# Altium PCB RevA2.PcbDoc (part 3 of 6)
Units mm, origin at the board's own origin, x right, y up, seen from the top; angles counter-clockwise.
Board outline 173 x 171 mm, 2 copper layers (Top Layer, Top, Bottom Layer, Bottom); 282 components, 411 nets, 1735 pads, 1978 vias.
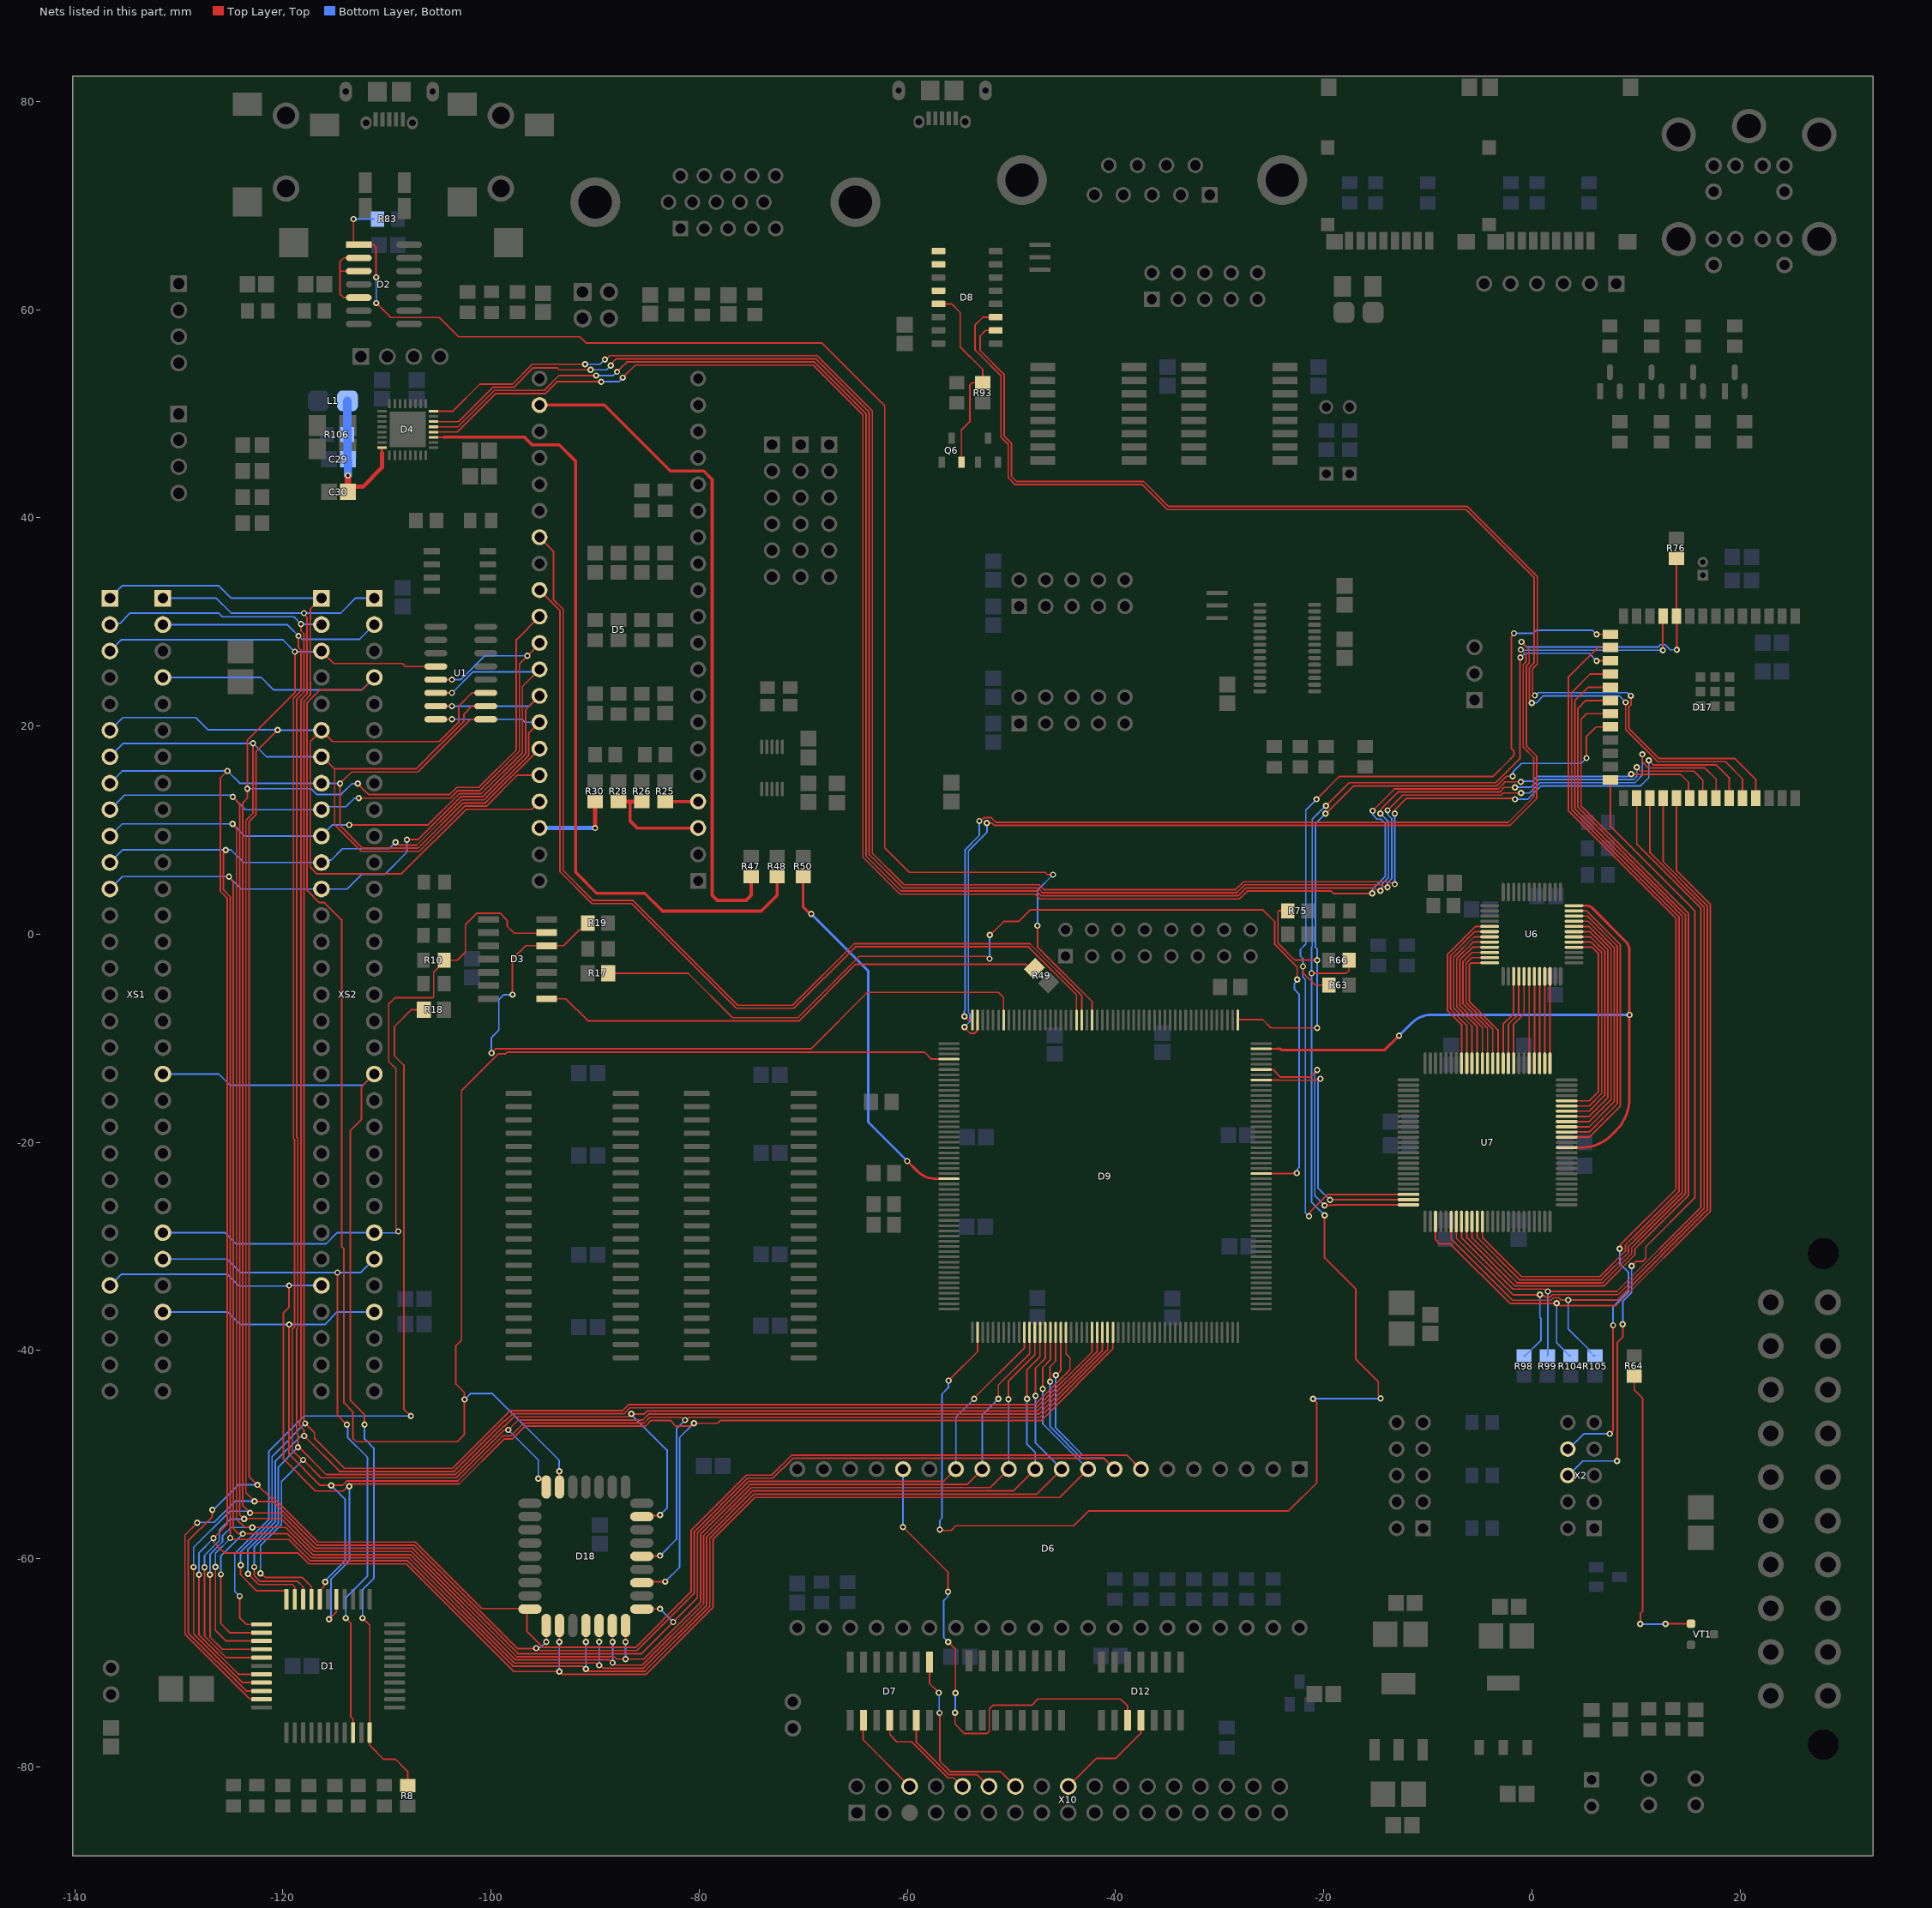
[diagram p3: the nets of this part, all layers, seen from the top]

## Via types
v1: diameter 0.6, hole 0.3, Top Layer, Top to Bottom Layer, Bottom, tented both sides, 1916 vias
v2: diameter 0.6, hole 0.3, Top Layer, Top to Bottom Layer, Bottom, tented bottom, 23 vias
v3: diameter 1, hole 0.5, Top Layer, Top to Bottom Layer, Bottom, tented both sides, 20 vias
v4: diameter 0.6, hole 0.3, Top Layer, Top to Bottom Layer, Bottom, 10 vias
v5: diameter 5.5, hole 3.96, Top Layer, Top to Bottom Layer, Bottom, 6 vias
v6: diameter 1, hole 0.5, Top Layer, Top to Bottom Layer, Bottom, 3 vias

## Nets (pads, with @x,y where several pads share a name; then routed paths per layer and width w, separated by ;. In a path a pad name is that pad's centre, name@x,y a point inside that pad or via, vN(x,y) a via of type N, cw(c..) or ccw(c..) an arc to the next point about the centre after c; other vN are vias at no path point) (continued)
A10: D1.38 D9.28 D18.23 XS1.B27 XS2.B27 | length 161
  Top Layer, Top w0.15: v1(-119.399,-33.748) -119.399,-35.836 -119.933,-36.37 -119.933,-50.416 -116.862,-53.488 -114.179,-53.488 -113.733,-53.041 -113.526,-53.041 -113.298,-52.813 -103.052,-52.813 -98.739,-48.5 -97.968,-48.5 -96.732,-47.263 -85.173,-47.263 -84.616,-46.706 -82.777,-46.706 -82.227,-47.256 -80.901,-47.256 -80.626,-46.981 v1@-80.542,-46.981 ; v1(-115.55,-65.8) -114.85,-65.1 D1.38@-114.85,-63.9 ; D18.23@-85.135,-62.24 -85.11,-62.215 -83.265,-62.215 v1(-83.25,-62.2) ; v1(-80.504,-46.981) -78.22,-46.981 -77.969,-46.73 -47.146,-46.73 -40.25,-39.834 D9.28@-40.25,-38.25
  Bottom Layer, Bottom w0.15: XS1.B27@-136.785,-33.925 -135.535,-32.675 -125.325,-32.675 -124.2,-33.8 -119.451,-33.8 v1(-119.399,-33.748) ; v1@-119.398,-33.749 XS2.B27@-116.29,-33.75 ; v1(-115.55,-65.8) -115.55,-65.678 -115.375,-65.503 -115.375,-61.982 -113.611,-60.219 v1(-113.611,-53.041) ; v1(-83.25,-62.2) -81.877,-60.827 -81.877,-48.354 v1(-80.504,-46.981)
A11: D1.40 D9.27 D18.25 XS1.A28 XS2.A28 | length 148.9
  Top Layer, Top w0.15: v1(-119.396,-37.496) -119.396,-49.967 -116.415,-52.948 -114.26,-52.948 -113.826,-52.513 -103.177,-52.513 -98.863,-48.2 -98.093,-48.2 -96.856,-46.963 -85.298,-46.963 -84.741,-46.406 -81.747,-46.406 -81.472,-46.681 v1(-81.35,-46.681) -81.228,-46.681 -80.953,-46.406 -47.246,-46.406 -40.75,-39.91 D9.27@-40.75,-38.25 ; D1.40@-116.45,-63.9 -116.45,-63.1 -116.003,-62.653 -116.003,-62.317 v1(-115.917,-62.231) ; D18.25@-85.135,-59.7 -85.105,-59.73 -83.78,-59.73 v1(-83.75,-59.7)
  Bottom Layer, Bottom w0.15: XS1.A28@-131.53,-36.29 -125.307,-36.29 -124.097,-37.5 -119.399,-37.5 v1(-119.396,-37.496) -119.393,-37.5 -115.98,-37.5 -114.77,-36.29 XS2.A28@-111.21,-36.29 ; v1(-115.917,-62.231) -115.917,-62.109 -115.764,-61.956 -115.764,-61.941 -114,-60.177 -114,-54.302 v1(-115.354,-52.948) ; v1(-83.75,-59.7) -82.177,-58.127 -82.177,-47.508 v1(-81.35,-46.681)
A12: D1.41 D9.26 D18.4 XS1.A2 XS2.A2 | length 212.3
  Top Layer, Top w0.15: v1(-122.15,-61.4) -121.65,-61.8 -118.125,-61.8 -117.25,-62.675 D1.41@-117.25,-63.9 ; v1(-118.493,28.662) -118.493,27.538 -118.265,27.31 -118.265,23.373 -118.975,22.663 -118.975,-19.62 -118.867,-19.728 -118.867,-37.71 -119.096,-37.939 -119.096,-49.567 -118.163,-50.5 v1(-118.05,-50.5) -116.336,-52.213 -103.308,-52.213 -98.747,-47.652 -98.358,-47.652 v1(-98.331,-47.625) -97.369,-46.663 -85.422,-46.663 -84.865,-46.106 -47.37,-46.106 -41.25,-39.986 D9.26@-41.25,-38.25 ; v1(-95.45,-52.3) -94.831,-52.3 -94.66,-52.471 D18.4@-94.66,-52.842
  Bottom Layer, Bottom w0.15: XS1.A2@-131.53,29.75 -119.581,29.75 -118.172,28.341 -112.619,28.341 XS2.A2@-111.21,29.75 ; v1(-122.15,-61.4) -122.15,-58.727 -120.132,-56.709 -120.132,-52.582 v1(-118.05,-50.5) ; v1(-98.331,-47.625) -95.45,-50.506 v1(-95.45,-52.3)
A13: D1.42 D9.25 D18.28 XS1.B2 XS2.B2 | length 218.7
  Top Layer, Top w0.15: v1(-122.75,-60.8) -122.75,-61.613 -122.194,-62.169 -118.581,-62.169 -118.05,-62.7 D1.42@-118.05,-63.9 ; v1(-118.253,29.81) -118.253,29.165 -117.965,28.876 -117.965,23.248 -118.675,22.538 -118.675,-19.496 -118.567,-19.603 -118.567,-37.834 -118.675,-37.942 -118.675,-47.899 -118.55,-48.024 v1(-118.55,-49.3) -118.437,-49.3 -115.823,-51.913 -103.432,-51.913 -98.783,-47.263 -98.712,-47.263 -97.812,-46.363 -86.817,-46.363 -86.542,-46.088 v1(-86.504,-46.088) -85.271,-46.088 -84.989,-45.806 -47.495,-45.806 -41.75,-40.061 D9.25@-41.75,-38.25 ; D18.28@-85.135,-55.89 -85.12,-55.875 -83.825,-55.875 v1(-83.75,-55.8)
  Bottom Layer, Bottom w0.15: XS1.B2@-136.61,29.75 -136.504,29.856 -135.673,29.856 -134.666,30.863 -126.163,30.863 -125.8,30.5 -118.943,30.5 v1(-118.253,29.81) -118.223,29.78 -116.32,29.78 XS2.B2@-116.29,29.75 ; v1(-122.75,-60.8) -122.75,-58.903 -120.432,-56.585 -120.432,-51.182 v1(-118.55,-49.3) ; v1(-86.504,-46.088) -86.504,-46.144 -83.077,-49.571 -83.077,-55.127 v1(-83.75,-55.8)
A14: D1.43 D9.24 XS1.A1 XS2.A1 | length 206.9
  Top Layer, Top w0.15: v1(-123.35,-61.435) -123.35,-61.437 -122.318,-62.469 -119.081,-62.469 -118.85,-62.7 D1.43@-118.85,-63.9 ; v1(-117.968,30.853) -117.968,30.731 -117.665,30.427 -117.665,23.124 -118.265,22.524 -118.265,-46.672 -118.375,-46.782 -118.375,-47.217 -117.965,-47.627 -117.965,-48.185 v1(-117.95,-48.2) -114.536,-51.613 -103.557,-51.613 -98.694,-46.75 -98.623,-46.75 -97.936,-46.063 -87.221,-46.063 -86.664,-45.506 -47.619,-45.506 -42.25,-40.137 D9.24@-42.25,-38.25
  Bottom Layer, Bottom w0.15: XS1.A1@-131.53,32.29 -126.394,32.29 -124.957,30.853 v1(-117.968,30.853) -114.452,30.853 -113.005,32.3 XS2.A1@-111.15,32.3 ; v1(-123.35,-61.435) -123.35,-59.079 -120.732,-56.461 -120.732,-50.669 -118.349,-48.286 -118.036,-48.286 v1(-117.95,-48.2)
A15: D1.44 D9.19 XS1.B1 XS2.B1 | length 207.9
  Top Layer, Top w0.15: v1(-124.05,-60.613) -124.05,-61.549 -122.524,-63.075 -119.773,-63.075 -119.65,-63.198 D1.44@-119.65,-63.9 ; XS2.B1@-116.275,32.275 -116.305,32.275 -117.351,31.229 -117.351,30.21 -117.365,30.196 -117.365,24.225 -117.351,24.211 -117.351,23.014 -117.965,22.4 -117.965,-46.763 -117.85,-46.878 v1(-117.85,-47) -117.85,-47.1 -117.75,-47.1 -116.95,-47.9 -116.95,-48.437 -114.074,-51.313 -103.681,-51.313 -98.131,-45.763 -87.346,-45.763 -86.788,-45.206 -47.743,-45.206 -44.375,-41.838 -44.375,-40.694 -44.75,-40.319 D9.19@-44.75,-38.25
  Bottom Layer, Bottom w0.15: XS1.B1@-136.787,32.113 -135.4,33.5 -126.187,33.5 -124.987,32.3 XS2.B1@-116.25,32.3 ; v1(-124.05,-60.613) -124.05,-59.354 -121.032,-56.336 -121.032,-50.182 v1(-117.85,-47)
AC97_CLK_1: D4.11 R48.2 | length 77.4
  Top Layer, Top w0.15: D4.11@-105.525,47.75 -104.5,47.75
  Top Layer, Top w0.3: -104.5,47.75 -96.781,47.75 -96.055,47.024 -93.444,47.024 -91.856,45.436 -91.856,5.947 -89.846,3.938 -85.231,3.938 -83.51,2.217 -74.033,2.217 -72.5,3.75 R48.2@-72.5,5.546
ADCDAT_1: D4.16 D17.35 | length 186
  Top Layer, Top w0.15: D4.16@-105.525,50.25 -103.674,50.25 -101.074,52.85 -97.929,52.85 -96.02,54.76 v1(-90.962,54.76) ; v1(-89.056,55.225) -88.934,55.225 -88.574,55.586 -68.672,55.586 -63.366,50.28 -63.366,7.785 -60.331,4.75 -47.326,4.75 -46.868,4.292 -28.456,4.292 -27.698,5.05 -13.669,5.05 -13.514,4.895 -13.258,4.895 v1(-13.172,4.809) ; v2(-13.161,11.588) -13.122,11.628 -13.122,11.991 -12.051,13.061 -1.704,13.061 v1(-1.62,12.977) ; v1(11.236,16.695) 11.236,16.68 11.641,16.275 17.71,16.275 18.972,15.013 D17.35@18.972,13.075
  Bottom Layer, Bottom w0.15: v1(-90.962,54.76) -89.522,54.76 v1(-89.056,55.225) ; v1(-13.172,4.809) -13.167,4.814 -13.167,11.583 v2(-13.161,11.588) ; v1(-1.62,12.977) -0.376,12.977 0.91,14.263 10.465,14.263 10.99,14.788 11.236,15.034 v1(11.236,16.695)
ATX_POWERON_1: R64.2 VT1.1 | length 29.1
  Top Layer, Top w0.15: R64.2@9.84,-42.454 9.84,-43.769 10.65,-44.579 10.65,-65.024 10.425,-65.249 v1(10.425,-66.272) ; v1(12.85,-66.272) 12.869,-66.253 15.271,-66.253 VT1.1@15.29,-66.234
  Bottom Layer, Bottom w0.15: v1(10.425,-66.272) v1(12.85,-66.272)
AVDD: C29.1 C30.1 D4.32 L1.1 R106.2 | length 14.5
  Top Layer, Top w0.2: -110.475,46.25 D4.32@-110.475,46.75
  Top Layer, Top w0.4: C30.1@-113.75,42.5 -113.25,43 -112.311,43 -110.475,44.836 -110.475,46.25
  Top Layer, Top w0.6: C30.1@-113.75,43 v1(-113.75,44.073)
  Bottom Layer, Bottom w0.8: L1.1@-113.787,51.25 -113.805,51.232 -113.805,48.018 R106.2@-113.823,48 -113.787,47.963 -113.787,45.662 C29.1@-113.75,45.625 v1(-113.75,44.073)
AY_BC1_1: D5.29 D9.136 | length 89.7
  Top Layer, Top w0.15: D5.29@-95.335,33.065 -95.335,33.058 -93.366,31.089 -93.366,6.012 -90.301,2.947 -86.478,2.947 -76.418,-7.113 -70.885,-7.113 -64.98,-1.208 -48.356,-1.208 -43.75,-5.814 D9.136@-43.75,-8.25
AY_BDIR_1: D5.27 D9.135 | length 95
  Top Layer, Top w0.15: D5.27@-95.335,38.145 -93.998,36.808 -93.998,32.153 -93.066,31.221 -93.066,6.136 -90.177,3.247 -86.354,3.247 -76.293,-6.813 -71.009,-6.813 -65.104,-0.908 -48.224,-0.908 -43.25,-5.882 D9.135@-43.25,-8.25
AY_CLK_1: D5.22 R47.2 | length 65.5
  Top Layer, Top w0.3: D5.22@-95.335,50.845 -89.112,50.845 -82.767,44.5 -79.556,44.5 -78.75,43.694 -78.75,3.75 -78.25,3.25 -75.5,3.25 -75,3.75 R47.2@-75,5.546
  Bottom Layer, Bottom w0.3: D5.22@-95.335,50.818 D5.22@-95.335,50.845
B\E\E\P\_3: D2.2 D2.3 D2.5 | length 8.8
  Top Layer, Top w0.15: D2.5@-112.7,61.17 -114.161,61.17 -114.512,61.521 -114.512,63.71 ; D2.3@-112.7,63.71 -114.512,63.71 ; D2.2@-112.7,64.98 -114.136,64.98 -114.512,64.604 -114.512,63.71
B\U\S\A\: D1.20 XS1.A26 XS2.A26 | length 67.7
  Top Layer, Top w0.15: v1(-114.75,-32.5) -114.75,-46.2 v1(-113.85,-47.1) ; v1(-113.95,-65.7) -113.475,-66.175 -113.475,-75.175 -113.25,-75.4 D1.20@-113.237,-76.7
  Bottom Layer, Bottom w0.15: XS1.A26@-131.53,-31.21 -125.356,-31.21 -124.066,-32.5 v1(-114.75,-32.5) -112.5,-32.5 XS2.A26@-111.21,-31.21 ; v1@-113.95,-65.5 -113.95,-63.737 -111.863,-61.651 -111.863,-50.262 -113.775,-48.35 -113.775,-47.175 v1(-113.85,-47.1)
B\U\S\R\: D1.22 R8.2 XS1.A19 XS2.A19 | length 94.4
  Top Layer, Top w0.15: v1(-112.35,-65.7) -111.65,-66.4 D1.22@-111.65,-76.7 -111.65,-77.925 -110.312,-79.262 -109.187,-79.262 -108,-80.45 R8.2@-108,-81.798 ; v1(-112.15,-47.1) -112.15,-46.148 -113.525,-44.773 -113.525,-18.88 -112.45,-17.805 -112.45,-14.67 -111.25,-13.47 XS2.A19@-111.25,-13.4
  Bottom Layer, Bottom w0.15: XS1.A19@-131.53,-13.43 -126.15,-13.43 -125.075,-14.505 -112.285,-14.505 XS2.A19@-111.21,-13.43 ; v1(-112.35,-65.7) -112.35,-62.986 -111.263,-61.899 -111.263,-49.362 -112.15,-48.475 v1(-112.15,-47.1)
BCLK_1: D4.12 D17.32 | length 182.3
  Top Layer, Top w0.15: D4.12@-105.525,48.25 -103.248,48.25 -99.548,51.95 -94.761,51.95 -93.624,53.087 v1(-89.411,53.087) ; v1(-87.334,53.476) -86.123,54.686 -69.045,54.686 -64.266,49.907 -64.266,7.412 -60.704,3.85 -47.699,3.85 -47.241,3.392 -28.083,3.392 -27.325,4.15 -19.292,4.15 -19.064,3.922 v1(-15.322,3.922) ; v2(-15.298,11.859) -13.196,13.961 -3.23,13.961 -2.546,14.645 v1(-1.056,14.645) ; v1(9.559,15.388) 9.572,15.375 14.267,15.375 15.062,14.58 15.062,13.175 D17.32@15.162,13.075
  Bottom Layer, Bottom w0.15: v1(-89.411,53.087) -87.722,53.087 v1(-87.334,53.476) ; v1(-15.322,3.922) -15.302,3.942 -15.302,4.344 -14.067,5.579 -14.067,10.628 -14.502,11.063 -14.864,11.063 -15.258,11.457 -15.258,11.819 v2(-15.298,11.859) ; v1(-1.056,14.645) -0.994,14.707 0.081,14.707 0.537,15.163 9.246,15.163 9.471,15.388 v1(9.559,15.388)
BEEP_1: D2.1 D9.133 R83.1 | length 141.3
  Top Layer, Top w0.15: v1(-113.203,68.71) -113.203,66.5 -112.953,66.25 D2.1@-112.7,66.25 -111.287,66.25 -111.05,66.013 -111.05,63.149 v1(-111.015,63.114) ; v1(-111.021,60.642) -109.629,59.25 -104.964,59.25 -103.119,57.405 -91.449,57.405 -90.843,56.799 -68.188,56.799 -62.166,50.777 -62.166,8.282 -59.834,5.95 -46.762,5.95 -46.537,5.725 v1(-46,5.725) ; v1(-47.493,0.824) -47.493,-1.212 -42.25,-6.455 D9.133@-42.25,-8.25
  Bottom Layer, Bottom w0.15: v1(-113.203,68.71) R83.1@-111.25,68.71 ; v1(-111.021,60.642) -111.018,60.645 -111.018,63.111 v1(-111.015,63.114) ; v1(-47.493,0.824) -47.493,4.232 v1(-46,5.725)
C\O\N\F\I\G\_1: D9.105 D17.22 R75.1 | length 69.7
  Top Layer, Top w0.15: D9.105@-28.25,-8.25 -28.2,-8.2 -25.857,-8.2 -25.059,-8.998 v1(-20.625,-8.998) ; R75.1@-23.453,2.25 -24.304,2.25 -24.392,2.162 -24.392,-0.858 -22.765,-2.485 v1(-20.628,-2.485) ; v2(-19.812,11.587) -19.786,11.587 -17.111,14.261 -3.354,14.261 -2.441,15.175 v1(-1.84,15.175) ; v1(5.254,16.93) 5.254,19.004 6.17,19.92 D17.22@7.562,19.92
  Bottom Layer, Bottom w0.15: v1(-20.625,-8.998) -20.625,-2.482 -20.619,-2.476 -20.619,-1.431 -20.799,-1.251 -20.799,10.6 v2(-19.812,11.587) ; v1(-1.84,15.175) -1.807,15.208 -1.807,15.583 -0.977,16.413 4.738,16.413 v1(5.254,16.93)
C\P\L\D\_\S\S\E\L\_1: D17.15 R63.2 U7.73 | length 97.8
  Top Layer, Top w0.15: v1(-21.979,-3.09) -21.99,-3.101 -21.99,-3.69 -20.797,-4.883 R63.2@-19.501,-4.883 ; v1(-21.411,-27.091) -21.331,-27.011 -21.331,-26.728 -19.603,-25 U7.73@-11.85,-25 ; v2(-20.678,12.965) -18.482,15.161 -3.73,15.161 -2.252,16.638 -2.035,16.856 -1.727,17.163 -1.727,17.598 -1.952,17.823 -1.952,28.599 -1.718,28.833 v1(-1.718,28.912) ; v1(6.227,28.81) D17.15@7.562,28.81
  Bottom Layer, Bottom w0.15: v1(-21.411,-27.091) -21.751,-26.751 -21.751,-5.597 -21.754,-5.594 -21.754,-4.36 -21.998,-4.116 -21.998,-3.298 -21.936,-3.236 v1@-21.833,-3.236 ; v2(-20.678,12.965) -21.72,11.924 -21.72,-0.946 -22.231,-1.458 -22.231,-2.117 -21.979,-2.37 v1(-21.979,-3.09) ; v1(-1.718,28.912) 0.113,28.912 0.402,29.201 5.836,29.201 v1(6.227,28.81) ; v1(-21.979,-3.09) v1@-21.833,-3.236 ; v1(-21.979,-3.09) v1@-21.833,-3.236
C\S\R\O\M\_1: D3.6 R10.2 XS1.A25 XS2.A25 | length 68.8
  Top Layer, Top w0.15: v1(-108.905,-28.556) -108.905,-28.468 -109.13,-28.243 -109.13,-12.932 -109.825,-12.238 -109.825,-6.694 -109.229,-6.099 -105.588,-6.099 -105.5,-6.011 -105.5,-3.631 -104.496,-2.627 R10.2@-104.496,-2.5 -103.247,-2.5 -102.451,-1.703 -102.451,0.921 -101.352,2.02 -99.124,2.02 -98.443,1.34 -98.443,0.781 -97.763,0.1 -94.7,0.1 D3.6@-94.65,0.15
  Bottom Layer, Bottom w0.15: XS1.A25@-131.53,-28.67 -125.58,-28.67 -124.505,-29.745 -115.845,-29.745 -114.77,-28.67 XS2.A25@-111.21,-28.67 -111.18,-28.7 -109.171,-28.7 -109.027,-28.556 v1(-108.905,-28.556)
CHA_3: D5.4 R25.2 | length 3.2
  Top Layer, Top w0.3: R25.2@-83.25,12.75 -83.245,12.745 D5.4@-80.095,12.745
CHB_3: D5.3 R26.2 R28.2 | length 10.9
  Top Layer, Top w0.3: -86.625,12.75 -86.625,10.875 -85.955,10.205 D5.3@-80.095,10.205
  Top Layer, Top w0.4: R28.2@-87.75,12.75 -86.625,12.75 R26.2@-85.5,12.75
CHC_3: D5.38 R30.2 | length 7.9
  Top Layer, Top w0.4: v1(-90,10.205) R30.2@-90,12.75
  Bottom Layer, Bottom w0.4: D5.38@-95.335,10.205 v1(-90,10.205)
CLKZ_1: D1.1 R18.2 | length 76.4
  Top Layer, Top w0.15: v1(-124.15,-63.6) -124.15,-65.641 -123.492,-66.3 D1.1@-122.05,-66.3 ; v1(-107.7,-46.29) -108.38,-45.609 -108.38,-12.567 -109.273,-11.674 -109.273,-8.893 -107.63,-7.25 R18.2@-106.5,-7.25
  Bottom Layer, Bottom w0.15: v1(-124.15,-63.6) -124.625,-63.125 -124.625,-59.505 -121.332,-56.212 -121.332,-49.669 -117.953,-46.29 v1(-107.7,-46.29)
CLKZ_IN_1: D9.79 R17.2 | length 101
  Top Layer, Top w0.15: R17.2@-88.75,-3.75 -81.054,-3.75 -76.79,-8.013 -70.512,-8.013 -64.621,-2.122 -52.405,-2.122 -52.177,-2.351 v1(-52.092,-2.351) ; v1(-52.081,-0.067) -52.026,-0.067 -50.737,1.223 -49.319,1.223 -48.207,2.335 -25.836,2.335 -24.692,1.191 -24.692,-0.982 -22.536,-3.138 v1(-22.536,-4.357) ; D9.79@-26,-23 -22.627,-23 v1(-22.576,-22.949)
  Bottom Layer, Bottom w0.15: v1(-52.092,-2.351) -52.087,-2.345 -52.087,-0.072 v1(-52.081,-0.067) ; v1(-22.576,-22.949) -22.518,-22.89 -22.518,-22.564 -22.36,-22.407 -22.36,-5.746 -22.799,-5.307 -22.799,-5.303 -22.818,-5.285 -22.818,-4.76 -22.536,-4.478 v1(-22.536,-4.357)
CLKZ_OUT_1: D3.1 R49.2 | length 49.8
  Top Layer, Top w0.15: D3.1@-94.65,-6.2 -92.8,-6.2 -90.687,-8.313 -70.383,-8.313 -64.953,-2.883 -48.597,-2.883 -48.416,-3.064 -48.305,-3.064 R49.2@-48.155,-2.914
CONFDONE_1: D9.2 D17.17 R66.1 | length 177.6
  Top Layer, Top w0.15: v1(-56.877,-57.208) -56.815,-57.27 -56.496,-57.27 -56.484,-57.283 -55.8,-57.283 -55.35,-56.833 -44.003,-56.833 -42.588,-55.418 -23.388,-55.418 -20.659,-52.69 -20.659,-45.016 -21.02,-44.655 v1(-21.02,-44.634) ; v1(-56.023,-42.883) -53.25,-40.109 D9.2@-53.25,-38.25 ; v1(-21.154,-3.75) -17.839,-3.75 -17.558,-3.469 R66.1@-17.557,-2.5 ; v1(-19.91,-27) -19.91,-31.092 -16.949,-34.053 cw(c-17.054,-34.16) -16.904,-34.16 -16.904,-40.836 -14.752,-42.989 -14.752,-44.287 -14.525,-44.514 v1(-14.525,-44.6) ; v2(-19.779,12.337) -17.554,14.561 -3.481,14.561 -1.127,16.915 -1.127,26.565 v1(-1.1,26.592) ; v1(6.227,26.27) D17.17@7.562,26.27
  Bottom Layer, Bottom w0.15: v1(-56.877,-57.208) -56.877,-56.288 -56.667,-56.078 -56.667,-44.185 -56.061,-43.58 -56.061,-42.921 v1(-56.023,-42.883) ; v1(-21.02,-44.634) -21.003,-44.617 -14.542,-44.617 v1(-14.525,-44.6) ; v1(-19.91,-27) -21.151,-25.759 -21.151,-5.349 -21.154,-5.346 v1(-21.154,-3.75) -21.154,-1.229 -21.099,-1.175 -21.099,11.042 -19.805,12.337 v2(-19.779,12.337) ; v1(-1.1,26.592) -1.066,26.592 -0.663,26.995 5.502,26.995 v1(6.227,26.27)
CSROM_1: D3.5 D9.150 R19.2 | length 72.7
  Top Layer, Top w0.15: v1(-99.952,-11.41) -99.556,-11.013 -69.264,-11.013 -63.834,-5.583 -51.259,-5.583 -50.75,-6.092 D9.150@-50.75,-8.25 ; v1(-97.917,-5.803) -97.95,-5.771 -97.95,-2.387 -96.663,-1.1 -94.67,-1.1 D3.5@-94.65,-1.12 ; D3.5@-94.65,-1.1 -93.021,-1.1 -91.488,0.433 -91.28,0.433 -91.144,0.57 R19.2@-91.144,0.9
  Bottom Layer, Bottom w0.15: v1(-99.952,-11.41) -99.952,-9.912 -99.237,-9.197 -99.237,-6.292 -98.748,-5.803 v1(-97.917,-5.803)
CTS_TTL: D8.9
D0: D1.9 D5.37 D6.7 D9.18 D18.13 U1.11 XS1.B6 XS2.B6 | length 304.6
  Top Layer, Top w0.15: v1(-126.775,-55.304) -126.775,-55.958 -129.101,-58.284 -129.101,-67.118 -123.519,-72.7 D1.9@-122.05,-72.7 ; v1(-120.504,19.637) -122.569,17.572 -122.569,11.501 -123.25,10.82 -123.25,-52.083 v1(-122.43,-52.905) v1(-122.43,-52.905) -121.135,-54.2 -120.817,-54.2 -116.617,-58.4 -107.264,-58.4 -100.884,-64.78 -96.63,-64.78 -96.55,-64.86 -96.55,-66.95 -94.985,-68.515 -86.102,-68.515 -80.774,-63.186 -80.774,-57.274 -75.463,-51.963 -73.034,-51.963 -71.124,-50.053 -38.887,-50.053 D6.7@-37.55,-51.39 ; U1.11@-100.5,23.19 -101.825,23.19 -103.09,21.925 -103.09,20.411 -104.986,18.515 -115.215,18.515 XS2.B6@-116.29,19.59 -117.365,18.515 -117.365,6.445 -116.735,5.815 -108.582,5.815 -102.389,12.008 -96.072,12.008 D5.37@-95.335,12.745 ; v1(-45.741,-42.374) -45.705,-42.374 -45.25,-41.918 D9.18@-45.25,-38.25